# Altium PCB uTCA_MCH_PCB3.pcbdoc (part 11 of 25)
Units mil, origin at the board's own origin, x right, y up, seen from the top; angles counter-clockwise.
Board outline 7110.66 x 2894.12 mil, 12 copper layers (Top Layer, GND1, MidLayer1, PWR1, MidLayer2, GND2, PWR2, MidLayer3, GND3, MidLayer4, PWR3, Bottom Layer), stack 63.15 mil thick; 767 components, 905 nets, 4553 pads, 2832 vias.
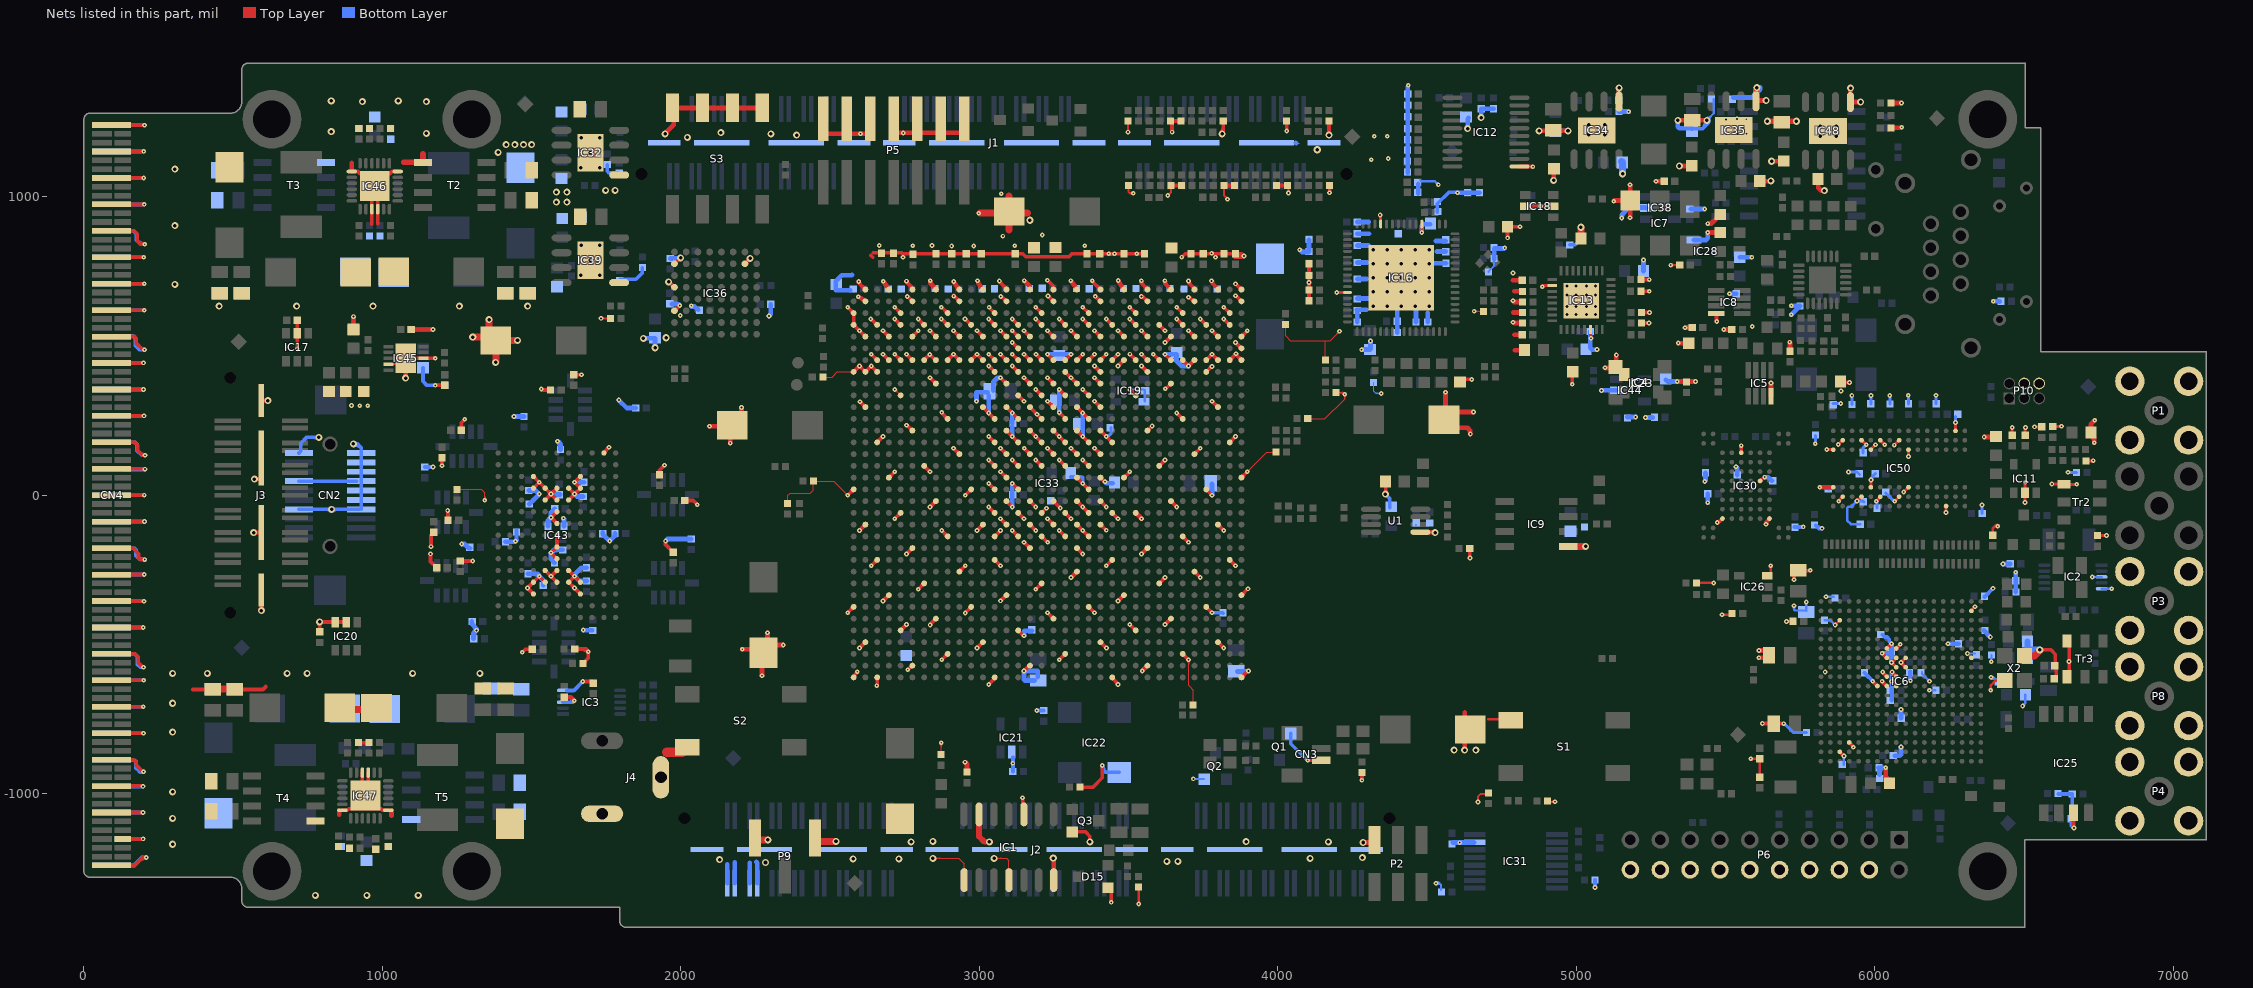
[diagram p21: the nets of this part, all layers, seen from the top]

## Via types
v1: diameter 15.75, hole 5.91, Top Layer to Bottom Layer, tented both sides, 2480 vias
v2: diameter 23.62, hole 11.81, Top Layer to Bottom Layer, tented both sides, 325 vias
v3: diameter 20, hole 10, Top Layer to Bottom Layer, tented both sides, 16 vias
v4: diameter 15.75, hole 7.87, Top Layer to Bottom Layer, tented both sides, 9 vias
v5: diameter 23.62, hole 11.81, Top Layer to Bottom Layer, 1 vias
v6: diameter 15.75, hole 5.91, Top Layer to Bottom Layer, 1 vias

## Nets (pads, with @x,y where several pads share a name; then routed paths per layer and width w, separated by ;. In a path a pad name is that pad's centre, name@x,y a point inside that pad or via, vN(x,y) a via of type N, cw(c..) or ccw(c..) an arc to the next point about the centre after c; other vN are vias at no path point) (continued)
GND: C1.1 C2.1 C3.1 C4.1 C5.2 C6.2 C7.2 C8.2 C9.2 C10.1 C11.2 C12.2 C13.2 C14.2 C15.2 C16.2 C17.2 C18.2 C19.1 C20.1 C21.1 C22.1 C23.1 C24.2 C25.2 C26.1 C27.1 C28.1 C29.1 C30.1 C31.1 C32.1 C33.2 C34.1 C35.2 C36.1 C37.2 C38.1 C39.1 C40.2 C41.1 C42.2 C43.2 C44.1 C45.1 C46.1 C47.1 C52.1 C53.2 C55.1 C56.1 C57.1 C58.1 C59.1 C60.1 C61.1 C62.1 C63.1 C64.1 C65.1 C66.1 C67.1 C69.1 C70.1 C71.2 C72.2 C73.2 C74.1 C75.1 C76.1 C77.2 C78.2 C79.2 C80.2 C81.2 C82.2 C83.2 C84.1 C85.1 C86.1 C87.2 C91.1 C92.1 C93.1 C94.1 C95.1 C96.1 C97.2 C98.2 C100.1 C104.1 C105.2 C106.1 C107.2 C108.1 C109.2 C110.1 C111.2 C112.1 C113.2 C114.1 C115.2 C116.1 C117.2 C118.1 C119.2 C120.1 C121.2 C123.1 C124.2 C126.1 C127.2 C128.1 C129.2 C130.1 C131.2 C132.1 C133.2 C134.1 C135.2 C136.1 C137.2 C140.2 C141.1 C142.1 C143.1 C144.2 C146.1 C148.1 C151.1 C155.2 C156.2 C157.2 C159.1 C160.2 C161.1 C163.1 C165.1 C167.2 C169.1 C171.1 C172.1 C173.1 C174.1 C175.2 C176.1 C177.1 C178.1 C180.1 C181.1 C183.1 C184.1 C186.1 C187.1 C191.2 C192.2 C193.2 C194.2 C217.1 C218.1 C219.2 C220.2 C221.2 C222.1 C223.2 C224.2 C225.2 C226.2 C227.2 C228.2 C229.2 C230.2 C231.2 C232.2 C233.2 C234.2 C235.1 C236.1 C237.1 C238.2 C239.2 C241.1 C244.2 C245.1 C246.1 C247.1 C248.2 C249.2 C250.1 C251.1 C252.1 C254.2 C255.1 C256.2 C257.2 C258.2 C259.2 C260.2 C262.1 C263.1 C264.1 C265.1 C266.1 C267.1 C268.2 C269.1 C270.2 C271.2 C272.1 C273.2 C274.1 C275.2 C276.1 C277.2 C278.2 C279.2 C280.2 C281.1 C282.1 C283.1 C284.1 C285.2 C286.2 C287.1 C288.2 C289.2 C290.2 C291.2 C292.2 C294.2 C295.1 C296.2 C297.1 C298.2 C299.2 C300.2 C301.2 C302.2 C303.1 C304.2 C305.2 C306.2 C307.2 C309.1 C310.1 C311.1 C312.1 C314.1 C315.2 C316.2 C317.2 C318.1 C320.2 C321.2 C322.1 C323.2 C324.2 C325.2 C326.2 C328.2 C329.1 C330.1 C331.1 C332.1 C333.1 C334.1 C335.1 C336.1 C337.2 C338.2 C339.2 C340.2 C341.2 C342.2 C343.2 C344.2 C345.2 C346.2 C347.2 C348.2 C349.1 C350.1 C351.1 C352.1 C381.2 C382.2 C389.2 C390.2 C393.1 C394.1 C395.1 C396.2 C397.2 C398.1 C402.1 C403.1 C405.1 C406.2 C407.2 C408.2 C409.2 C410.2 C411.2 C412.2 C413.2 C414.1 C415.1 C416.1 C417.2 C420.1 C421.1 C427.2 C428.2 C429.2 C430.1 C431.2 C432.2 CN2.7 CN2.8 CN2.9 CN2.11 CN2.13 CN2.14 CN2.15 CN2.17 CN2.19 CN2.20 CN3.1 CN4.1 CN4.4 CN4.7 CN4.10 CN4.13 CN4.16 CN4.19 CN4.22 CN4.25 CN4.28 CN4.31 CN4.34 CN4.37 CN4.40 CN4.43 CN4.46 CN4.49 CN4.52 CN4.55 CN4.58 CN4.61 CN4.64 CN4.67 CN4.70 CN4.73 CN4.76 CN4.79 CN4.82 CN4.85 CN4.86 CN4.89 CN4.92 CN4.95 CN4.98 CN4.101 CN4.104 CN4.107 CN4.110 CN4.113 CN4.116 CN4.119 CN4.122 CN4.125 CN4.128 CN4.131 CN4.134 CN4.137 CN4.140 CN4.143 CN4.146 CN4.149 CN4.152 CN4.155 CN4.158 CN4.161 CN4.164 CN4.167 CN4.170 D15.1 IC1.1 IC1.4 IC1.7 IC1.10 IC1.13 IC2.3 IC2.5 IC3.3 IC3.5 IC4.2 IC5.8 IC6.C2 IC6.C16 IC6.D3 IC6.G9 IC6.H9 IC6.H10 IC6.H12 IC6.H13 IC6.J9 IC6.J10 IC6.J11 IC6.J12 IC6.J13 IC6.K11 IC6.K12 IC6.U12 IC6.U17 IC7.3 IC8.8 IC9.5 IC11.2 IC12.11 IC13.10 IC13.22 IC13.PAD IC16.37 IC16.44 IC16.59 IC16.PAD IC17.2 IC18.2 IC18.5 IC19.2 IC19.3 IC20.2 IC20.3 IC21.2 IC22.2 IC23.2 IC25.7 IC26.3 IC28.2 IC30.C5 IC30.F7 IC30.K3 IC30.K8 IC31.15 IC32.5 IC32.9 IC33.A1 IC33.A2 IC33.A5 IC33.A6 IC33.A7 IC33.A17 IC33.A27 IC33.A34 IC33.AA1 IC33.AA2 IC33.AA5 IC33.AA7 IC33.AA9 IC33.AA11 IC33.AA13 IC33.AA15 IC33.AA17 IC33.AA19 IC33.AA21 IC33.AA27 IC33.AB3 IC33.AB4 IC33.AB7 IC33.AB8 IC33.AB12 IC33.AB14 IC33.AB16 IC33.AB18 IC33.AB20 IC33.AB22 IC33.AB24 IC33.AB34 IC33.AC1 IC33.AC5 IC33.AC7 IC33.AC11 IC33.AC21 IC33.AC31 IC33.AD4 IC33.AD7 IC33.AD18 IC33.AD28 IC33.AE1 IC33.AE2 IC33.AE5 IC33.AE7 IC33.AE15 IC33.AE25 IC33.AF3 IC33.AF4 IC33.AF7 IC33.AF12 IC33.AF22 IC33.AF32 IC33.AG1 IC33.AG5 IC33.AG7 IC33.AG9 IC33.AG19 IC33.AG29 IC33.AH4 IC33.AH7 IC33.AH16 IC33.AH26 IC33.AJ1 IC33.AJ2 IC33.AJ5 IC33.AJ7 IC33.AJ13 IC33.AJ23 IC33.AJ33 IC33.AK3 IC33.AK4 IC33.AK7 IC33.AK10 IC33.AK20 IC33.AK30 IC33.AL1 IC33.AL5 IC33.AL7 IC33.AL17 IC33.AL27 IC33.AM4 IC33.AM7 IC33.AM8 IC33.AM14 IC33.AM24 IC33.AM34 IC33.AN1 IC33.AN2 IC33.AN5 IC33.AN8 IC33.AN11 IC33.AN21 IC33.AN31 IC33.AP3 IC33.AP4 IC33.AP8 IC33.AP18 IC33.AP28 IC33.AP34 IC33.B3 IC33.B4 IC33.B7 IC33.B14 IC33.B24 IC33.C1 IC33.C5 IC33.C7 IC33.C11 IC33.C21 IC33.C31 IC33.D4 IC33.D7 IC33.D8 IC33.D18 IC33.D28 IC33.E1 IC33.E2 IC33.E5 IC33.E7 IC33.E15 IC33.E25 IC33.F3 IC33.F4 IC33.F7 IC33.F12 IC33.F22 IC33.F32 IC33.G1 IC33.G5 IC33.G7 IC33.G9 IC33.G19 IC33.G29 IC33.H4 IC33.H7 IC33.H16 IC33.H26 IC33.J1 IC33.J2 IC33.J5 IC33.J7 IC33.J8 IC33.J13 IC33.J23 IC33.J33 IC33.K3 IC33.K4 IC33.K7 IC33.K10 IC33.K20 IC33.K30 IC33.L1 IC33.L5 IC33.L7 IC33.L17 IC33.L27 IC33.M4 IC33.M7 IC33.M14 IC33.M20 IC33.M24 IC33.M34 IC33.N1 IC33.N2 IC33.N5 IC33.N7 IC33.N8 IC33.N9 IC33.N11 IC33.N13 IC33.N15 IC33.N17 IC33.N19 IC33.N21 IC33.N31 IC33.P3 IC33.P4 IC33.P7 IC33.P10 IC33.P12 IC33.P14 IC33.P16 IC33.P18 IC33.P20 IC33.P22 IC33.P28 IC33.R1 IC33.R5 IC33.R7 IC33.R9 IC33.R11 IC33.R13 IC33.R15 IC33.R17 IC33.R19 IC33.R21 IC33.R23 IC33.R25 IC33.T4 IC33.T7 IC33.T8 IC33.T10 IC33.T12 IC33.T14 IC33.T16 IC33.T20 IC33.T22 IC33.T32 IC33.U1 IC33.U2 IC33.U5 IC33.U7 IC33.U9 IC33.U11 IC33.U13 IC33.U15 IC33.U19 IC33.U21 IC33.U29 IC33.V3 IC33.V4 IC33.V7 IC33.V10 IC33.V12 IC33.V14 IC33.V16 IC33.V20 IC33.V22 IC33.V26 IC33.W1 IC33.W5 IC33.W7 IC33.W9 IC33.W11 IC33.W13 IC33.W15 IC33.W19 IC33.W21 IC33.W23 IC33.W33 IC33.Y4 IC33.Y5 IC33.Y6 IC33.Y7 IC33.Y8 IC33.Y10 IC33.Y12 IC33.Y14 IC33.Y16 IC33.Y18 IC33.Y20 IC33.Y22 IC33.Y30 IC34.5 IC34.9 IC35.5 IC35.9 IC36.B2 IC36.H2 IC36.H4 IC36.H6 IC38.2 IC39.5 IC39.9 IC43.C4 IC43.C8 IC43.D4 IC43.D5 IC43.D6 IC43.D7 IC43.D8 IC43.E5 IC43.E6 IC43.E7 IC43.F6 IC43.G6 IC43.H6 IC43.J6 IC43.K6 IC43.L5 IC43.L6 IC43.L7 IC43.M4 IC43.M5 IC43.M6 IC43.M7 IC43.M8 IC43.N4 IC43.N8 IC43.R2 IC44.2 IC45.4 IC45.8 IC45.11 IC46.3 IC46.4 IC46.12 IC46.19 IC46.25 IC47.3 IC47.4 IC47.12 IC47.19 IC47.25 IC48.5 IC48.9 IC50.A3 IC50.A7 IC50.B2 IC50.B8 IC50.D2 IC50.D8 IC50.E3 IC50.E7 IC50.F2 IC50.F8 IC50.H2 IC50.H8 IC50.J3 IC50.J7 IC50.N1 IC50.P9 J1.97 J1.98 J1.99 J1.100 J1.101 J1.102 J1.103 J1.104 J1.105 J1.106 J1.107 J1.108 J2.89 J2.91 J2.93 J2.95 J2.97 J2.98 J2.99 J2.100 J2.101 J2.102 J2.103 J2.104 J2.105 J2.106 J2.107 J2.108 J3.33 J3.34 J3.35 J3.36 J4.2 J4.3 L4.1 P1.2 P2.2 P3.2 P4.2 P5.1 P5.3 P5.5 P5.7 P5.9 P5.11 P5.13 P6.4 P6.6 P6.8 P6.10 P6.12 P6.14 P6.16 P6.18 P6.20 P8.2 P9.1 P9.3 P10.4 P10.6 Q1.2 Q2.2 Q3.2 R1.1 R3.2 R6.1 R21.1 R23.2 R36.1 R39.1 R43.1 R50.1 R60.2 R61.2 R62.2 R64.2 R66.2 R67.2 R68.2 R69.1 R71.2 R72.2 R73.2 R76.1 R77.2 R81.2 R82.2 R83.1 R84.2 R85.2 R86.1 R87.2 R88.2 R89.2 R91.2 R92.2 R93.2 R94.1 R96.2 R98.1 R99.1 R100.1 R102.1 R108.1 R109.1 R110.1 R111.1 R118.1 R119.1 R120.1 R122.1 R130.1 R131.1 R132.1 R134.1 R153.1 R164.1 R170.2 R175.1 R178.1 R184.2 R185.1 R186.1 R187.2 R192.2 R194.1 R195.1 R204.1 R209.2 R212.1 R216.1 R217.1 R219.1 R221.1 R222.1 R226.1 R227.1 R229.2 R231.2 R232.2 R234.2 R235.1 R236.1 R238.2 R240.2 R242.2 R246.2 R247.2 R249.1 R252.2 R255.1 R256.2 S1.2 S2.1 S3.5 S3.6 S3.7 S3.8 T2.1 T3.1 T4.1 T5.1 Tr2.3 Tr3.3 Tr3.4 U1.5 X2.2 X2.4 | length 39840.4
  Top Layer w3.94: R216.1@1248.31,19.69 1331.69,19.69 1343.11,8.27 v1(1343.11,-17.13) ; v1@1338.93,-12.95 ccw(c1328.85,-2.87) 1343.11,-2.87 ccw(c1357.37,-2.87) v1@1347.29,-12.95 ; R96.2@2358.39,-25.35 2358.39,-0.63 2365.71,6.69 2433.58,6.69 2443.9,17.01 R217.1@2443.9,47.24 2511.81,47.24 2545.28,13.78 v1@2557.09,1.97 ; C100.1@2475.87,396.06 2506.97,396.06 2524.29,413.39 IC33.AP8@2578.74,413.39 ; v1@2553.15,0 ccw(c2538.89,0) 2548.97,10.08 ccw(c2559.06,20.16) v1@2559.06,5.91 ; v1@2716.54,348.43 cw(c2716.54,334.17) 2726.62,344.25 cw(c2736.7,354.33) v1@2722.44,354.33 ; v1(2716.54,354.33) IC33.AK10@2736.22,334.65 ; v1@3537.4,-78.74 ccw(c3523.14,-78.74) 3533.23,-68.66 ccw(c3543.31,-58.58) v1@3543.31,-72.83 ; v1@3696.61,-555.36 cw(c3686.53,-565.44) 3700.79,-565.44 cw(c3715.04,-565.44) v1@3704.96,-555.36 ; v1(3700.79,-551.18) 3700.79,-637.17 3717.2,-653.58 R77.2@3717.2,-699.02 ; v1(3897.59,78.78) 3962.51,143.7 R131.1@3993.11,143.7 ; v1@3897.59,84.69 ccw(c3897.59,98.95) 3907.68,88.86 ccw(c3917.76,78.78) v1@3903.5,78.78 ; R249.1@4025.71,572.62 4025.71,533.69 4041.64,517.76 4159.45,517.76 ; R134.1@4100.04,256.46 4157.64,256.46 4223.62,322.44 v1@4223.62,336.97 ; R219.1@4159.45,458.66 4159.45,517.76 ; 4159.45,517.83 4159.45,517.76 ; R43.1@4194.88,344.49 4218.5,344.49 ; R43.1@4195.9,344.49 cw(c4195.9,310.07) 4220.23,334.41 cw(c4212.05,326.23) 4223.62,326.23 ; 4196.44,538.7 ccw(c4185.93,549.21) v1@4200.79,549.21 ; 4197.04,539.31 cw(c4206.69,529.65) v1@4206.69,543.31 ; R43.1@4205.4,344.49 cw(c4205.4,319.57) v1@4223.02,337.19 ; v1@4205.55,547.82 4175.49,517.76 4159.45,517.76 ; 4214.91,344.49 cw(c4214.91,329.08) v1@4225.8,339.97 ; v1@4219.08,341.13 ccw(c4216.42,342.4) 4218.5,344.49 ; v1@4221.86,343.91 cw(c4220.59,346.57) 4218.5,344.49 ; 4223.62,322.42 cw(c4240.57,322.42) v1@4228.59,334.41 ; v1(4224.41,338.58) 4218.5,344.49 ; v1(4657.48,616.14) R221.1@4688.98,616.14 ; v1@4661.66,611.97 cw(c4671.74,601.88) 4671.74,616.14 cw(c4671.74,630.4) v1@4661.66,620.32 ; C3.1@5638.65,-519.98 C3.1@5639.99,-518.64 ; IC6.U17@6323.54,-387.26 v1@6337.31,-373.49 ; IC6.U17@6323.86,-386.94 ccw(c6310.39,-373.48) v1@6329.44,-373.48 ; IC6.U17@6328.64,-382.16 cw(c6335.34,-388.86) v1@6335.34,-379.38 ; 6330.58,-380.22 ccw(c6323.84,-373.48) v1@6333.37,-373.48 ; Tr3.4@6649.81,-488.33 Tr3.4@6650.59,-489.11 ; Tr3.3@6650.24,-600.65 Tr3.3@6650.59,-600.3
  Top Layer w4: v2(2844.49,-1216.54) 2930.54,-1216.54 2949.02,-1235.02 IC1.1@2949.02,-1289.25 ; v2@2848.6,-1220.64 cw(c2858.52,-1230.56) 2858.52,-1216.54 cw(c2858.52,-1202.51) v2@2848.6,-1212.43 ; v2@2851.43,-1223.47 cw(c2868.17,-1240.22) 2868.17,-1216.54 cw(c2868.17,-1192.85) v2@2851.43,-1209.6 ; v1@2867.85,-833.15 cw(c2858.37,-842.63) 2871.77,-842.63 ; R39.1@2871.77,-869.06 2871.77,-829.23 v1(2872,-829) ; 2871.77,-843.73 cw(c2886.73,-843.73) v1@2876.15,-833.15 ; v2(3049.21,-1216.54) 3091.55,-1216.54 3099.02,-1224 IC1.4@3099.02,-1289.25 ; v2@3053.32,-1220.64 cw(c3063.24,-1230.56) 3063.24,-1216.54 cw(c3063.24,-1202.51) v2@3053.32,-1212.43 ; v2@3056.15,-1223.47 cw(c3072.9,-1240.22) 3072.9,-1216.54 cw(c3072.9,-1192.85) v2@3056.15,-1209.6
  Top Layer w6.89: IC45.4@1019.69,438.98 IC45.11@1058.5,438.98 ; v1@1734.25,592.52 R50.1@1763.78,592.52 ; v1@1735.42,589.39 cw(c1742.97,581.83) 1742.97,592.52 ; v1@1735.42,595.65 ccw(c1742.98,603.21) 1742.98,592.52 ; v1@3494.9,1219.67 ccw(c3487.34,1227.23) 3498.03,1227.23 ccw(c3508.72,1227.23) v1@3501.16,1219.67 ; v1(3498.03,1216.54) R120.1@3498.03,1242.13 ; R100.1@3500,1037.4 3500,1015.75 3503.94,1011.81 v1(3515.75,1011.81) ; v1@3512.62,1008.68 ccw(c3505.06,1001.12) 3505.06,1011.81 ccw(c3505.06,1022.5) v1@3512.62,1014.94 ; v1(3631.08,1003.99) 3641.73,1014.64 R98.1@3641.73,1037.4 ; v1@3631.08,1008.42 ccw(c3631.08,1019.11) 3638.64,1011.55 ccw(c3646.2,1003.99) v1@3635.51,1003.99 ; R108.1@3818.9,1037.4 3818.9,1005.39 v1@3832.28,992.01 ; 3822.71,1001.58 cw(c3813.13,992.01) v1@3826.67,992.01 ; 3825.56,998.73 ccw(c3831.1,1004.28) v1@3831.1,996.44 ; v1@4032.3,1015.93 ccw(c4024.74,1023.49) 4035.43,1023.49 ccw(c4046.13,1023.49) v1@4038.56,1015.93 ; v1(4035.43,1012.8) R111.1@4035.43,1036.42 ; v1@4645.8,388.71 v1@4649.78,384.73 ; v1@4667.26,-1024.46 ccw(c4661.05,-1018.25) 4669.83,-1018.25 ; v1@4669.83,-1026.28 4669.83,-1010.27 4679.74,-1000.36 4708.9,-1000.36 C315.2@4711.37,-997.89 ; 4669.83,-1015.55 ccw(c4682.43,-1015.55) v1@4673.52,-1024.46 ; R175.1@4909.19,-1027.11 4928.39,-1027.11 v1(4928.62,-1026.88) ; 4917.37,-1027.11 ccw(c4917.37,-1015.63) v1@4925.49,-1023.75 ; 4918.48,-1027.11 cw(c4918.48,-1037.02) v1@4925.49,-1030.01
  Top Layer w7: v1(5316,771) 5316.14,771.14 C40.2@5345.91,771.14 ; v1@5319.09,767.91 cw(c5326.9,760.1) 5326.9,771.14 ; v1@5319.09,774.09 ccw(c5326.22,781.22) 5326.22,771.14 ; v1@6310,-534.37 cw(c6310,-544.93) 6317.47,-537.47 cw(c6324.93,-530) v1@6314.37,-530 ; v1(6310,-530) 6323.54,-543.54 IC6.U12@6323.54,-544.74
  Top Layer w7.87: v1@3531.03,-1366.4 ccw(c3523.66,-1359.03) 3534.08,-1359.03 ; v1@3534.38,-1363.07 R256.2@3534.38,-1321.89 ; 3534.54,-1359.96 ccw(c3543.12,-1359.96) v1@3537.05,-1366.03 ; v1(5487.72,-400.51) C222.1@5523.51,-400.51 ; v1@5490.5,-403.29 cw(c5497.22,-410.01) 5497.22,-400.51 cw(c5497.22,-391.01) v1@5490.5,-397.73
  Top Layer w8: v1(4670.39,-1027.59) v1@4670.51,-1027.71 ; 4704.94,-750.75 S1.2@4789.93,-750.75 ; R170.2@5402.99,-293.62 5459.62,-293.62 v1(5460,-294) ; 5449.73,-293.62 cw(c5449.73,-304.27) v1@5457.26,-296.74 ; 5451.56,-293.62 ccw(c5451.56,-285.56) v1@5457.26,-291.26 ; C222.1@5523.51,-400.51 C222.1@5523.76,-400.76 ; v1@5583.09,-882.92 C19.1@5614.5,-882.92 ; v1@5586.9,-885.53 cw(c5593.21,-891.84) 5593.21,-882.92 ; v1@5586.9,-880.05 ccw(c5593.82,-873.13) 5593.82,-882.92 ; v1(5611.43,-544.07) v1@5611.5,-544 ; C20.1@5614.5,-944.69 C19.1@5614.5,-882.92 ; C19.1@5614.5,-882.7 C19.1@5614.5,-882.92 ; v1@5626.37,-764.03 v1@5627.45,-765.11 ; v1@5648.09,-239.13 cw(c5641.48,-245.74) 5650.83,-245.74 cw(c5660.18,-245.74) v1@5653.57,-239.13 ; v1@5649.53,-235.09 v1(5650.83,-236.39) 5650.83,-268.12 IC26.3@5650.57,-268.38 ; v1(5704,-423) 5704.24,-422.76 C317.2@5732.05,-422.76 ; v1@5706.74,-425.74 cw(c5713.94,-432.94) C317.2@5713.94,-422.76 ; v1@5706.74,-420.26 ccw(c5712.76,-414.24) 5712.76,-422.76 ; v1@5784.33,-252.79 v1@5784.8,-252.32 ; v1(5866.84,-434.5) IC6.C16@5882.6,-418.76 ; v1@5866.84,-430.63 ccw(c5866.84,-421.28) 5873.45,-427.89 ccw(c5880.07,-434.5) v1@5870.71,-434.5 ; v1@6385.26,-650.26 ccw(c6378.65,-643.65) 6388,-643.65 ccw(c6397.35,-643.65) v1@6390.74,-650.26 ; v1(6388,-653) 6388,-637 6404.39,-620.61 X2.4@6434.72,-620.61 ; C52.1@6394.76,-134.17 6394.76,-110.24 ; 6402.82,-102.18 cw(c6409.65,-109.01) v1@6413.75,-100.26 ; v1@6409.26,-106.74 ccw(c6402.65,-113.35) 6402.65,-104 ccw(c6402.65,-94.65) v1@6409.26,-101.26 ; v1@6410.35,-107.51 ccw(c6404.5,-119.97) 6394.76,-110.24 ; v1@6410.43,-105.57 6408.87,-104 6401,-104 6394.76,-110.24 ; X2.2@6501.65,-537.93 X2.2@6505.58,-534 ; v1@6665.59,-1113.59 v1(6667,-1115)
  Top Layer w9.84: v1@4202.76,679.13 IC16.59@4233.27,679.13 ; v1@4340.43,936.89 cw(c4330.64,927.1) 4344.49,927.1 ; IC16.44@4344.49,908.46 v1@4344.49,938.98 ; v1@4482.28,886.18 IC16.37@4482.28,908.46 ; v1@4885.83,702.76 IC13.10@4919.29,702.76 ; v1@4887.91,696.73 cw(c4902.46,682.19) 4902.46,702.76 ; v1@5047.24,525.51 IC13.22@5047.24,555.12 ; 5047.24,537.45 ccw(c5061.06,537.45) v1@5051.29,527.68
  Top Layer w10: v1(5759.79,-105.97) v1@5760.22,-106.4 ; v1(5839,153) 5839.3,152.7 IC50.A7@5860.67,152.7 ; v1(5877,170) 5877.97,170 IC50.B8@5892.17,184.2 ; v1@5877,172.87 ccw(c5877,182.15) 5883.56,175.59 ; v1(5879,-20) 5879,-17.94 IC50.B2@5892.17,-4.78 ; v1@5881.87,-20 cw(c5893.77,-20) 5885.36,-11.59 ; v1@5914.94,377.51 v1(5915.05,377.4) ; v1@5940,-16.13 ccw(c5940,-6.77) 5946.61,-13.39 ; v1@5941,-19 IC50.D2@5955.16,-4.78 IC50.D2@5955.16,-4.78 ; IC50.D8@5955.16,184.2 5955.8,184.2 v1(5971,169) ; IC50.E3@5986.65,26.72 5986.65,50.65 v1(5987,51) ; IC50.E7@5986.65,152.7 5986.65,153.65 v1(6002,169) ; v1(6005,-20) 6018.15,-6.85 IC50.F2@6018.15,-4.78 ; IC50.F8@6018.15,184.2 6033,169.35 v1(6033,169) ; v1(6065,168) 6065,168.06 IC50.H8@6081.14,184.2 ; v1(6067,-20) 6081.14,-5.86 IC50.H2@6081.14,-4.78 ; v1(6097,11) 6097,11.08 IC50.J3@6112.64,26.72 ; IC50.J7@6112.64,152.7 6112.64,130.36 v1(6113,130) ; v1@6235.97,-55.97 ccw(c6229.56,-49.56) 6238.62,-49.56 ; v1(6238,-58) 6238.62,-57.38 IC50.N1@6238.62,-36.28 ; v1(6270,244) 6270.12,243.88 IC50.P9@6270.12,215.69 ; v1@6410.43,-105.57 v1(6412,-104) ; C57.1@6459.94,201.14 6459.94,226.47 v1(6460.37,226.9) ; 6459.94,218.92 cw(c6468.35,218.92) v1@6462.4,224.87 ; v1(6503,-24) IC11.2@6503.03,8.82 6503.03,43.03 v1(6504,44) ; 6503.03,34.72 cw(c6513.28,34.72) v1@6506.03,41.97 ; C58.1@6503.72,201.42 6503.72,226.25 v1(6504.37,226.9) ; 6503.72,218.38 cw(c6512.89,218.38) v1@6506.4,224.87 ; v1(6535,229) 6535.25,229.25 C157.2@6559.06,229.25 ; v1(6593,38) 6632.43,38 Tr2.3@6633.62,36.81 6675.81,36.81 v1(6676,37) ; C56.1@6596.42,230.16 6624.16,230.16 v1(6625,231) ; 6616.03,230.16 ccw(c6616.03,239.97) v1@6622.97,233.03 ; R36.1@6706.81,115.28 6731.28,115.28 v1(6732,116) ; 6723.31,115.28 ccw(c6723.31,124.69) v1@6729.97,118.03 ; C53.2@6745.55,-135.16 6775.84,-135.16 v1(6776,-135)
  Top Layer w11.81: 363.9,-650.75 599.88,-650.75 609.92,-640.71 ; IC47.12@866.14,-1055.12 882.79,-1055.12 887.71,-1050.2 995.48,-1050.2 1000.4,-1055.12 IC47.19@1019.68,-1055.12 ; IC46.19@897.64,1084.65 918.42,1084.65 925.22,1077.85 1025.62,1077.85 1032.42,1084.65 IC46.12@1051.18,1084.65 ; R234.2@919.29,-828.74 R242.2@954.72,-828.74 ; IC47.25@933.07,-960.94 IC47.4@933.07,-929.13 ; IC47.25@952.76,-961.73 IC47.3@952.76,-929.13 ; 964.57,907.94 IC46.3@964.57,958.66 IC46.25@964.57,994.65 ; 984.25,908.86 IC46.4@984.25,958.66 IC46.25@984.25,992.28 ; S2.1@2005.12,-861.02 S2.1@2021.65,-844.49 ; 2636.64,803.38 2642.34,797.68 ; 2644.77,811.78 2739.27,811.78 2741.45,809.6 3145.11,809.6 3155.49,799.22 3300.24,799.22 3310.08,809.06 v1(3433.07,809.06) v1(3452.76,809.06) v1(3527.56,809.06) C106.1@3553.15,809.06 ; v1@2743.65,797.68 v1(2744.09,797.24) ; v1(3144.6,-1013.25) 3144.66,-1013.31 3144.66,-1064.9 IC1.10@3149.02,-1069.25 ; Q3.2@3311.29,-1128.09 3356.24,-1128.09 3370.1,-1141.95 v2@3370.1,-1160.52 ; R252.2@3336.72,-977.68 3380.8,-977.68 3411.66,-946.82 v1@3411.66,-906.77 ; v1@3434.57,810.33 ccw(c3442.61,817.11) v1@3448.74,808.57 ; v1@3623.7,356.18 3623.9,356.18 IC33.G9@3641.73,374.02 ; v1(3677.6,797.8) 3689.4,809.6 3878.63,809.6 v1(3886.83,801.4) ; C108.1@3856.3,797.8 3879.41,797.8 v1@3883.11,801.5 ; IC33.A27@3877.95,-334.65 3899.25,-313.35 v1@3900.08,-313.35 ; v1@4173.23,1016.73 R109.1@4173.23,1037.4 ; C47.1@4360.62,45.89 4360.62,8.87 v2@4361.07,8.42 ; v2@4525.72,-123.68 v2(4527.03,-124.99) ; R23.2@4642.89,-178.64 4642.89,-209.39 v1(4643.96,-210.46) ; C156.2@4985.23,415 4986.16,414.07 v1(4986.16,371.61) ; v2@5030.55,-171.6 v2(5030.79,-171.36) ; v2(6552.4,-518.19) 6589.91,-518.19 6604.32,-532.6 6604.32,-563.97 C21.1@6606.98,-566.63 ; v2@6556.58,-522.37 cw(c6566.66,-532.45) 6566.66,-518.19 cw(c6566.66,-503.93) v2@6556.58,-514.01 ; C22.1@6607.01,-619.42 C21.1@6607.01,-570.47 ; Tr3.3@6650.59,-600.3 v1(6650.59,-556.79) Tr3.4@6650.59,-489.11
  Top Layer w12: D15.1@3430.75,-1314.91 3442,-1326.16 v1(3442,-1364)